# Altium PCB MU_MP_39_V1.PcbDoc (part 12 of 15) (continued)
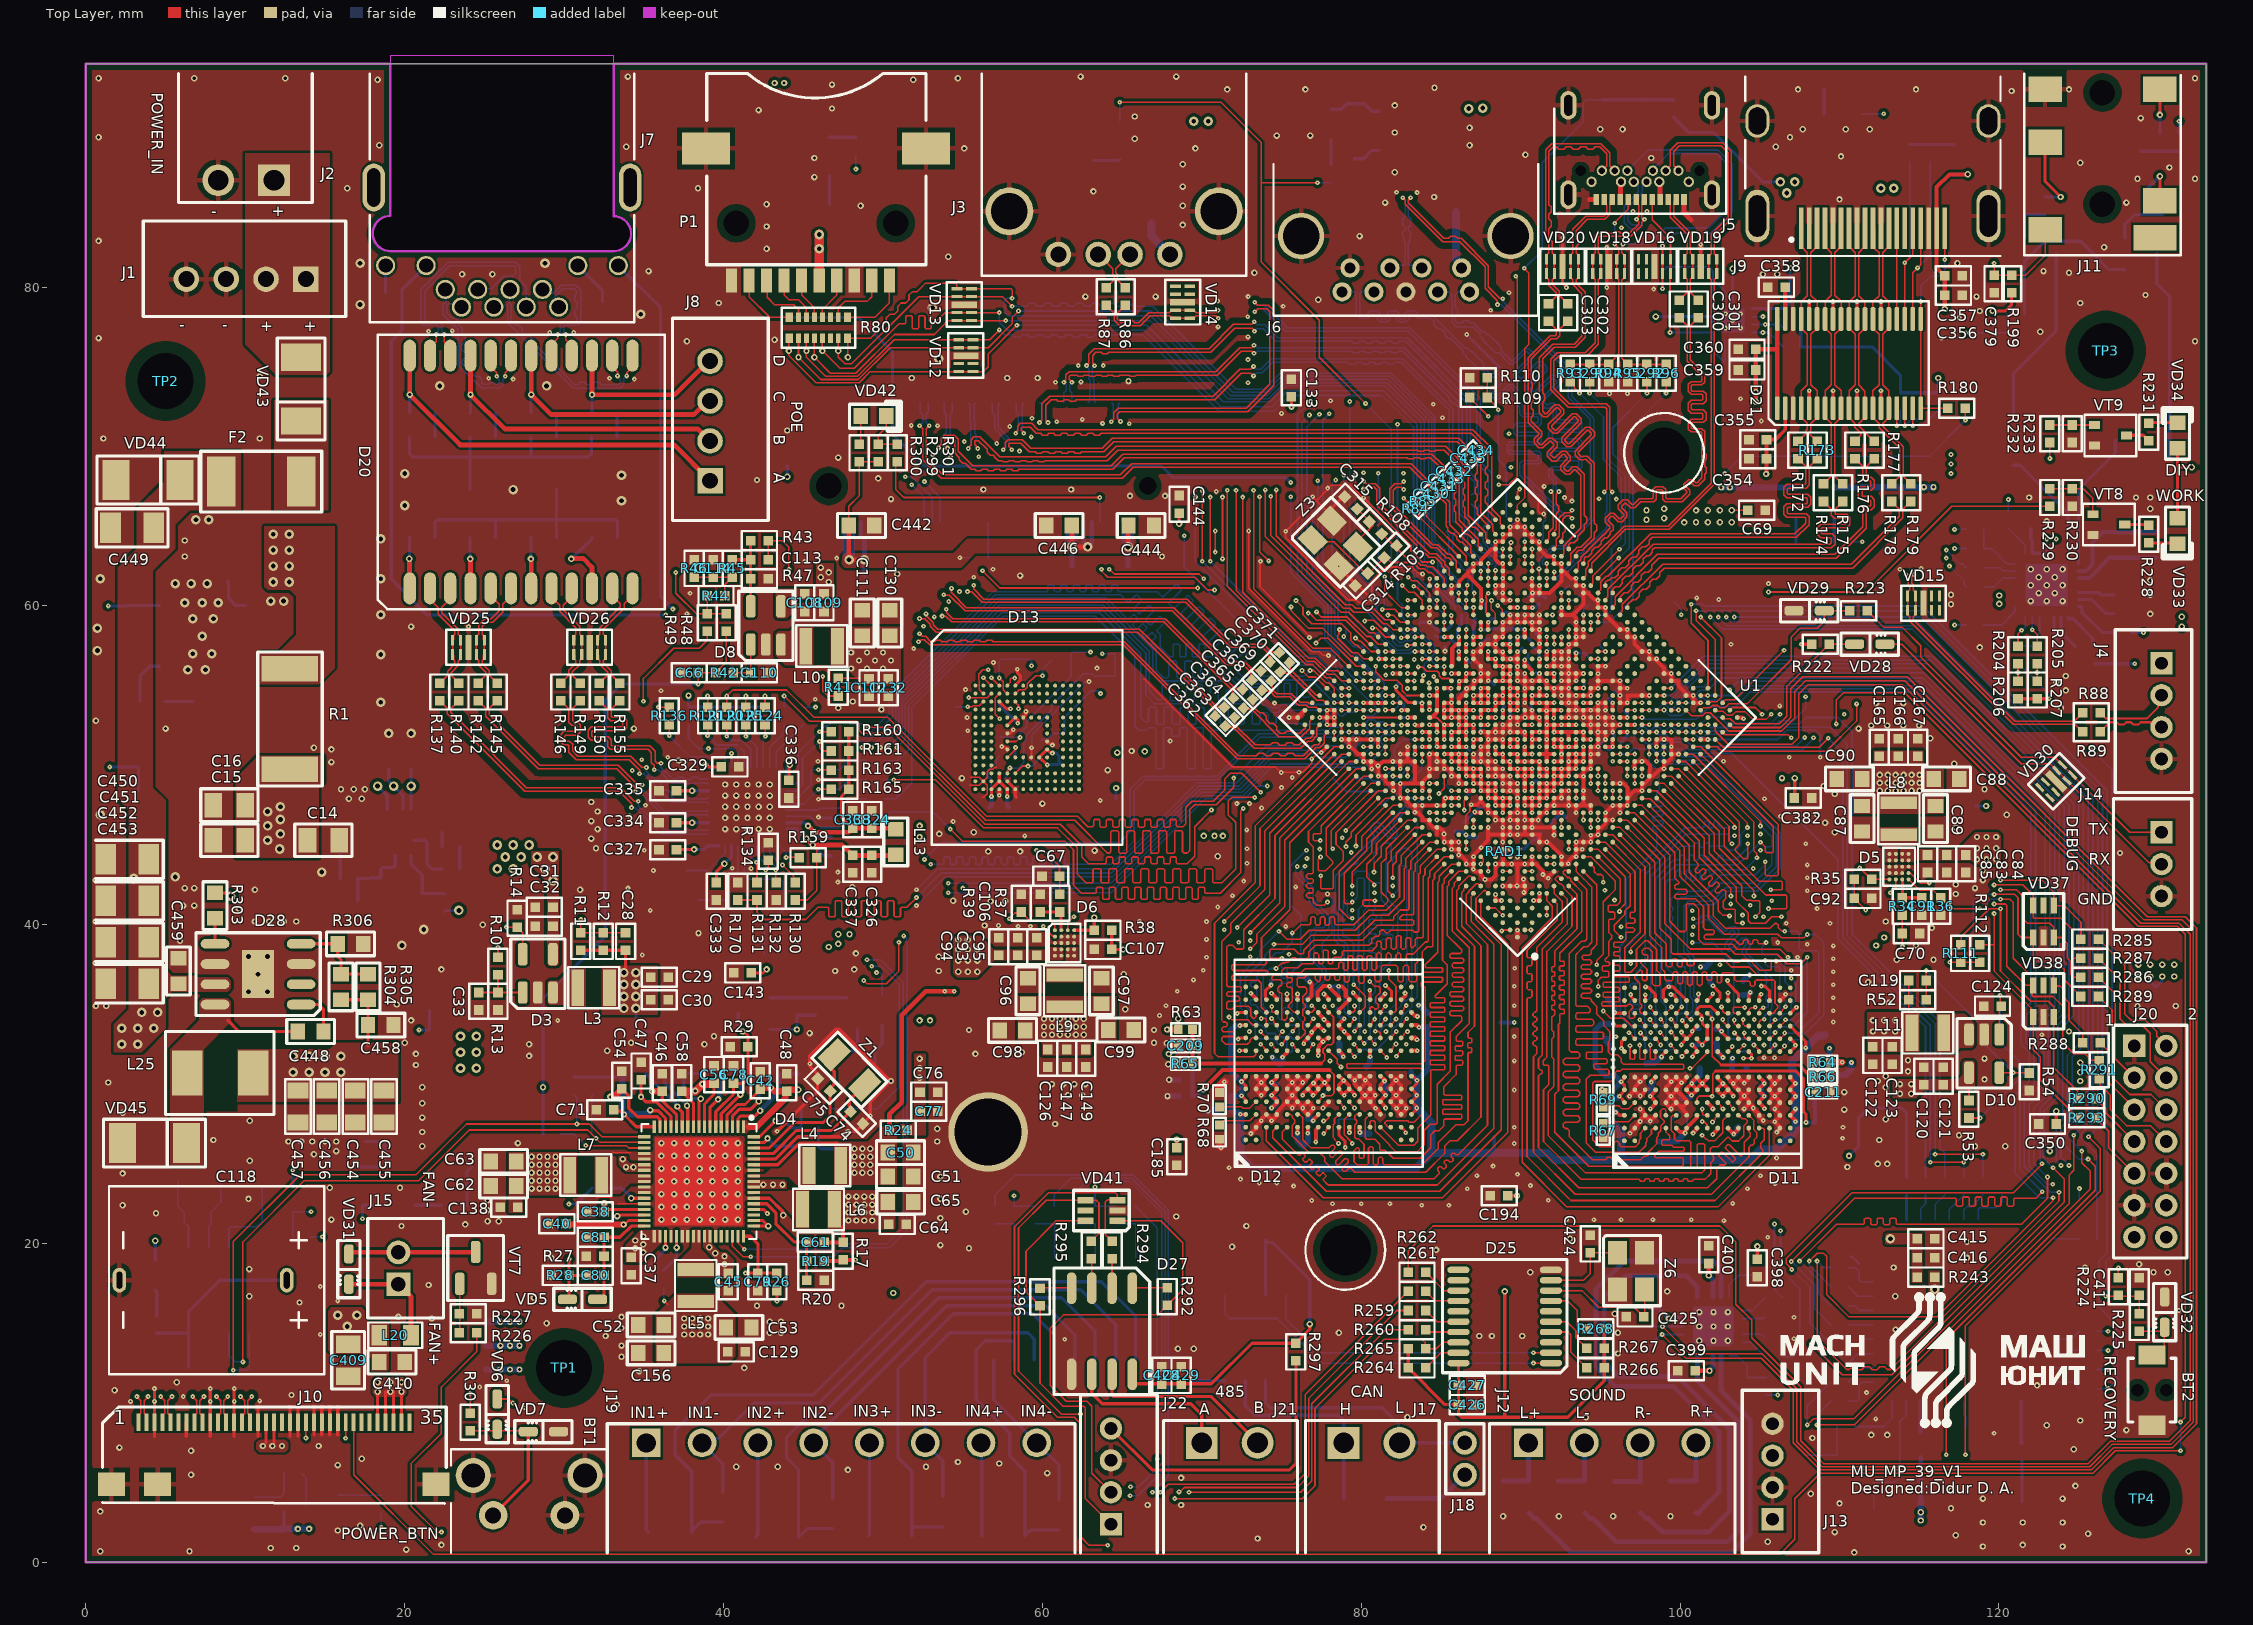
[diagram p0: Top Layer view]
## Nets (pads, with @x,y where several pads share a name; then routed paths per layer and width w, separated by ;. In a path a pad name is that pad's centre, name@x,y a point inside that pad or via, vN(x,y) a via of type N, cw(c..) or ccw(c..) an arc to the next point about the centre after c; other vN are vias at no path point) (continued)
  Bottom Layer w0.2: R91.2@99.6,90.65 100.55,89.7 102.1,89.7 105.2,86.6 v3(106.3,86.6) ; D17.2@103.3,79.115 C289.1@103.3,80.475 v2(103.3,81.15)
  other v3: 106.7,85.9 107.2,86.6
VCC1V8_DDR: C76.1 C77.1 C221.1 C222.1 C223.1 C224.1 C225.1 C226.1 C227.1 C228.1 C229.1 C230.1 C231.1 D11.A3 D11.A4 D11.A5 D11.A6 D11.A10 D11.U3 D11.U4 D11.U5 D11.U6 D11.U10 D12.A3 D12.A4 D12.A5 D12.A6 D12.A10 D12.U3 D12.U4 D12.U5 D12.U6 D12.U10 R24.2 | length 179.1
  Top Layer w0.2: v1@72.406,33.687 72.42,33.701 72.506,33.701 D12.A10@72.755,33.701 ; v1@72.427,28.101 D12.A3@72.755,28.101 ; v1(72.494,29.269) 72.755,29.008 D12.A4@72.755,28.901 ; D12.A5@72.755,29.701 72.755,29.897 v1(72.494,30.158) 72.63,30.294 D12.A6@72.755,30.419 ; D12.U3@83.154,28.101 83.48,28.426 v1(83.48,28.501) 83.48,28.576 D12.U4@83.154,28.901 83.48,29.226 v1(83.48,29.301) 83.48,29.376 D12.U5@83.154,29.701 83.501,30.047 v1(83.501,30.245) 83.245,30.501 D12.U6@83.154,30.501 ; v1(95.816,33.772) 95.844,33.772 95.971,33.645 D11.A10@96.513,33.645 ; v1(95.972,28.239) 95.998,28.239 96.191,28.045 D11.A3@96.513,28.046 ; v1(96.188,29.235) 96.198,29.235 96.302,29.131 96.41,29.023 96.41,28.948 D11.A4@96.513,28.845 ; v1@96.188,29.245 96.513,29.571 D11.A5@96.513,29.645 96.513,29.933 v1(96.302,30.144) 96.513,30.354 D11.A6@96.513,30.445 ; D11.U10@106.913,33.645 107.424,33.134 107.885,32.673 v1(107.885,32.274)
  Top Layer w0.254: v1(72.392,33.674) v1@72.406,33.687 ; v1(72.417,28.112) v1@72.427,28.101 ; D12.A6@72.755,30.419 D12.A6@72.755,30.501 ; D12.U10@83.154,33.701 83.499,33.701 v1(83.628,33.573) ; D11.U4@106.913,28.845 106.913,28.895 v1(107.238,29.22) 107.238,29.32 D11.U5@106.913,29.645 106.913,29.72 v1(107.238,30.046) 106.913,30.371 D11.U6@106.913,30.445 ; v1(107.238,27.645) 107.238,27.72 D11.U3@106.913,28.046 107.238,28.371 v1(107.238,28.446)
  POWER_1 w0.7: v2(52.3,31.6) v2(52.3,31) v2(52.3,30.4) 52.3,29.9 51.4,29 48.4,29 46.7,27.3 46.7,18.9 47.8,17.8 72.5,17.8 74.525,15.775 90.775,15.775 94.4,19.4 102.65,19.4 107.238,23.988 v1(107.238,27.645) v1(107.238,28.446) v1(107.238,29.22) v1(107.238,30.046)
  Bottom Layer w0.2: C224.1@88.35,26.725 88.35,25.695 88.375,25.67
  Bottom Layer w0.35: C231.1@71.817,33.376 71.817,30.835 v1(72.494,30.158) v1(72.494,29.269) ; C228.1@71.86,28.34 71.96,28.24 72.305,28.24 v1@72.425,28.12 ; C231.1@71.86,33.435 71.876,33.435 72.115,33.674 v1(72.392,33.674) ; C228.1@71.86,28.34 C229.1@71.86,29.255 v1@72.479,29.255 ; C230.1@83.138,30.779 83.138,30.608 v1(83.501,30.245) ; v1@83.501,29.322 v1(83.501,30.245) ; v1(83.628,33.573) C227.1@84.152,33.573 ; C227.1@84.174,33.55 84.174,30.919 v1(83.501,30.245) ; v1(95.816,33.772) 95.392,33.772 C226.1@95.388,33.769 95.058,33.769 94.677,33.388 94.677,31.185 95.337,30.524 95.922,30.524 v1(96.302,30.144) 95.533,29.374 C223.1@95.533,29.153 96.095,29.153 96.177,29.235 v1(96.188,29.235)
  Bottom Layer w0.381: C231.1@71.817,33.376 C231.1@71.86,33.42 ; v1@72.479,29.255 v1(72.494,29.269) ; C227.1@84.152,33.573 C227.1@84.174,33.55 ; C222.1@95.525,28.239 95.533,28.239 v1(95.972,28.239) ; C222.1@95.533,28.137 C222.1@95.618,28.222
  Bottom Layer w0.5: v1@72.425,28.104 72.425,25.469 73.161,24.733 83.458,24.733 84.407,25.682 ; v1(83.48,29.301) v1(83.48,28.501) 84.419,27.562 84.419,25.67 88.375,25.67 91.68,25.67 92.109,25.241 96.252,25.241 104.38,25.241 105.04,25.902 106.056,25.902 107.238,27.083 v1(107.238,27.645) v1(107.238,28.446) v1(107.238,29.22) v1(107.238,30.046) 107.238,30.657 107.072,30.822 C225.1@107.014,30.88 107.014,31.403 v1(107.885,32.274) 108.672,33.061 109.035,33.061 C221.1@109.06,33.086 ; C222.1@95.533,28.137 95.558,28.112 95.558,27.792 96.302,27.048 96.302,25.292
  Bottom Layer w0.508: C222.1@95.533,28.239 C223.1@95.533,29.153 ; 96.252,25.241 96.302,25.292
VCC3V0_SD: C267.2 C268.1 C270.2 D14.5 P1.4 | length 2.9
  Top Layer w0.6: P1.4@46,80.4 v3(46,83.3)
  other v3: 46,82.4
VCC3V3_S3: C57.1 C263.2 C264.1 C277.1 C293.1 C299.1 C344.1 D4.7 D13.E6 D13.F5 D13.J10 D13.K9 U1.AB18 U1.AB21 U1.J23 U1.Y25 | length 286.1
  Top Layer w0.12: D13.K9@59.8,50.5 D13.K9@59.812,50.5 ; v1@60.288,50.025 v1(60.3,50.025)
  Top Layer w0.2: D4.7@39.157,27.33 39.157,28.545 v2(39.657,29.045) ; D13.F5@57.8,52.5 D13.E6@58.3,53 58.313,53 58.456,52.857 58.475,52.857 58.475,52.662 v1(58.458,52.645) ; D13.K9@59.8,50.5 D13.J10@60.3,51 60.512,50.788 60.61,50.788 v1(60.629,50.769) ; D13.K9@59.812,50.5 v1@60.288,50.025
  Top Layer w0.254: v1(82.917,53) U1.J23@83.365,53 ; v1(87.5,58.524) 87.502,58.526 U1.Y25@87.502,58.975 ; U1.AB21@90.26,58.056 90.26,58.515 v1(90.261,58.516) ; U1.AB18@91.638,56.677 v1(91.639,57.137)
  Inner_Layer w0.5: v2@39.675,29.063 42.612,32 46.1,32 46.7,31.4 46.7,13.5 48.475,11.725 99.1,11.725 100.2,12.825 116.7,12.825 119.725,15.85 119.725,27.325 124.4,32 v2(124.4,33.3)
  POWER_2 w0.1: 90.2,58.725 90.42,58.945 90.42,59.1 90.735,59.415 ; 90.675,58.55 90.775,58.55 91.2,58.975 ; 90.8,57.925 90.8,57.578 91.178,57.2 91.275,57.2 ; 91.15,58.125 91.25,58.125 91.65,58.525 ; 91.175,58.05 91.312,57.913 91.48,57.746 91.48,57.72 91.575,57.625 ; 91.213,58.987 91.2,58.975 ; 91.528,59.735 91.96,59.735 92.113,59.888 ; 91.7,57.675 92.088,58.063 ; 91.825,59.025 91.528,59.322 91.528,59.735 91.056,59.735 90.735,59.415 ; 92.125,57.15 92.563,57.588 ; 92.816,59.184 92.113,59.888 ; 93.038,58.962 93.488,58.513 ; 93.075,59.8 93.075,59.802 92.683,60.194 92.681,60.194 92.55,60.325 ; 94.425,59.7 94.25,59.875 93.9,59.875 93.488,59.462 ; 95.225,60.425 95.225,60.25 93.938,58.963 ; 95.4,60.925 93.15,60.925 92.55,60.325 ; 90.735,59.415 91.175,58.975 91.2,58.975 ; 91.2,58.975 91.65,58.525 ; 91.65,58.525 91.663,58.538 92.113,58.087 ; 92.088,58.063 92.113,58.087 ; 92.088,58.063 92.563,57.588 ; 92.113,58.087 92.588,58.563 ; 92.113,59.888 92.55,60.325 ; 92.563,57.588 93.025,58.05 ; 92.588,58.563 92.588,58.488 93.025,58.05 ; 92.588,58.563 93.488,59.462 ; 93.025,58.05 93.488,58.513 ; 93.488,58.513 93.938,58.963 ; 93.488,59.462 93.488,59.412 93.938,58.963
  POWER_2 w0.2: 79.64,56.454 80.046,56.454 82.942,53.558 82.942,53.096 82.936,53.09 82.936,53.019 v1(82.917,53)
  POWER_2 w0.3: 66.472,49.078 73.849,56.454 79.64,56.454
  POWER_2 w0.4: v2(64.7,50.8) 64.75,50.8 66.472,49.078
  POWER_2 w0.5: v2(39.657,29.045) 41.112,30.5 49.2,30.5 51.5,32.8 56.825,32.8 59.237,35.212 62.312,35.212 64.1,37 64.1,40.075 66.472,42.447 66.472,49.078 ; 95.575,60.625 96.5,60.625 97.15,61.275 104.2,61.275 105.975,59.5 118,59.5 119.8,57.7 119.8,56.2 124.4,51.6 v2(124.4,33.3)
  GND_2 w0.2: v1(60.3,50.025) 60.575,50.3 v1@60.575,50.725
  GND_2 w0.3: v1(58.458,52.645) 58.466,52.638 58.466,52.635 60.331,50.769 v1(60.629,50.769) 60.635,50.775 64.648,50.775 64.673,50.8 v2(64.7,50.8)
  Bottom Layer w0.2: C264.1@57.325,53.8 57.5,53.625 57.5,53.558 57.944,53.113 57.987,53.113 58.455,52.645 v1(58.458,52.645) ; v1(60.3,50.025) 60.319,50.044 60.969,50.044 C263.2@61.1,50.175 ; v1(60.629,50.769) 60.634,50.764 60.861,50.764 61.042,50.583 61.042,50.208 61.088,50.163 C263.2@61.15,50.1 ; C344.1@82.4,53.009 82.908,53.009 v1(82.917,53) ; v1(87.5,58.524) 87.527,58.524 87.569,58.482 88.047,58.482 88.128,58.563 90.214,58.563 v1(90.261,58.516) C299.1@90.266,58.521 ; v1(91.639,57.137) 91.739,57.237 C293.1@91.739,57.335
  Bottom Layer w0.3: v2(39.657,29.045) 39.657,29.072 39.75,29.165 39.75,30.5 C57.1@39.9,30.65
VCC3V3_SYS: C28.1 C29.1 C30.1 C56.1 C58.1 C80.2 C82.1 C100.1 C101.1 C120.1 C121.1 C271.2 C272.1 C287.1 C361.1 C417.1 C418.1 C422.1 C423.1 C426.1 C427.1 C428.1 C429.1 D4.8 D4.10 D7.1 D10.4 D14.1 D17.4 D25.20 D26.3 D27.8 J20.12 L3.1 L23.1 R11.2 R12.2 R26.2 R28.2 R31.1 R53.1 R187.2 R194.2 R222.2 R264.2 R265.1 R266.2 R267.2 R268.2 R297.1 VD4.1 VD5.2 VD33.1 VD34.1 VT1.2 VT3.2 | length 385.5
  Top Layer w0.1: R53.1@118.125,28.975 118.125,29.775
  Top Layer w0.2: VD5.2@30.2,16.5 30.3,16.6 R28.2@30.3,18 ; v1(30.3,19.025) R28.2@30.3,18 ; R11.2@31.05,38.4 R12.2@32.45,38.4 C28.1@33.85,38.4 v3@33.85,37.275 ; C80.2@31.4,18 R28.2@30.3,18 ; C58.1@37.375,29.55 38.107,28.818 D4.10@38.107,27.33 ; D4.8@38.807,27.33 38.807,27.63 38.807,28.756 38.969,28.918 38.969,28.941 39.4,29.373 C56.1@39.4,30.05 ; v1(43.35,16.375) R26.2@43.35,17.05 ; D27.8@65.64,11.2 70.6,11.2 73.15,13.75 R297.1@75.9,13.75 76.775,14.625 v2(76.775,14.95) ; R265.1@82.95,13.4 R264.2@82.95,12.2 85.25,9.9 C426.1@86.1,9.9 ; D25.20@86.1,12.5 C427.1@86.1,11.1 C426.1@86.1,9.9 ; v2(89,17) 89,9.1 ; R268.2@95.25,14.65 R267.2@95.25,13.425 R266.2@95.25,12.2 95.25,11.4 92.95,9.1 89,9.1 ; v1(107.6,57.6) R222.2@108.25,57.6 ; VD33.1@131.2,65.5 131.2,68.7 ; VD34.1@131.2,69.9 131.2,68.7 ; v2(132.1,68.7) 131.2,68.7 ; C426.1@86.1,9.9 86.1,9.3 86.3,9.1 89,9.1
  Top Layer w0.5: C58.1@37.375,29.55 38.2,29.55 v2(38.225,29.575) 38.259,29.575 38.691,30.007 39.357,30.007 C56.1@39.4,30.05
  Inner_Layer w0.2: v1(107.6,57.6) 115.3,65.3 v2(115.3,67.45)
  Inner_Layer w0.4: v2(114.5,30) 115.5,31 115.5,32.1 121.825,38.425 131.575,38.425 132.1,37.9 132.1,24 J20.12@130.5,22.4 J20.12@130.6,22.4
  POWER_2 w0.2: 30.3,18.1 v1(30.3,19.025)
  POWER_2 w0.3: 28.912,30.887 32.45,27.35 37.625,27.35 38.25,27.975 38.25,28.765 38.1,28.915 38.1,29.398 38.175,29.473 38.175,29.498 38.225,29.548 v2(38.225,29.575) 38.25,29.575 42.1,33.425 v2(44.6,33.425) ; 33.075,36.975 33.075,59.075 35.975,61.975 35.975,88.775 40,92.8 v2(43.2,92.8) v2(43.8,92.8)
  POWER_2 w0.4: v2(13.3,2.1) v2(14,2.1) 21,9.1 24,12.1 24,13.1 v2(26,15.1) ; v2(106.9,81.2) 107.9,80.2 127.2,80.2 132.1,75.3 v2(132.1,68.7) 132.1,67.45 ; v2(115.1,2.625) v2(115.1,3.15) 115.1,3.7 117,5.6 118.4,5.6 125.5,12.7 125.5,14.3 127,15.8 129.7,15.8 132.1,18.2 132.1,22.425 ; v2(115.3,67.45) v2(115.9,67.45) 132.1,67.45 ; J20.12@130.5,22.4 132.075,22.4 132.1,22.425 ; 132.1,22.425 132.1,67.45
  Bottom Layer w0.2: C361.1@12.4,2.075 C361.1@12.425,2.1 R187.2@12.425,3.2 ; v3(34.5,34.75) 34.5,33.5 34.725,33.275 VD4.1@35.6,33.275 ; VT1.2@42.925,33.425 v2(44.6,33.425) ; v2(44.6,33.425) C82.1@44.6,34.325 R31.1@45.775,34.325 ; C423.1@73.975,20.225 C423.1@74,20.2 ; D26.3@74,16.8 C423.1@74,20.2 ; v2(76.775,14.95) 76.775,17.725 74.437,20.063 74.137,20.063 C423.1@74,20.2 ; D17.4@104.515,78.65 C287.1@106,78.65 106.55,78.65 106.9,79 v2(106.9,81.2)
  Bottom Layer w0.3: C418.1@115.1,3.9 C417.1@115.1,5.1 L23.1@115.1,6.6
  Bottom Layer w0.4: VT3.2@10.55,2.075 C361.1@12.4,2.075 ; C361.1@12.425,2.1 v2(14,2.1) ; R194.2@25.1,15.1 v2(26,15.1) v2(26.6,15.1) v2(27.2,15.1) ; D7.1@109.675,67.425 111.425,67.425 C101.1@111.45,67.45 C100.1@112.65,67.45 v2(115.3,67.45) v2(115.9,67.45) ; v2(115.1,2.625) v2(115.1,3.15) C418.1@115.1,3.9
  other v2: 113.8,29.4 114.5,29.4 38.675,30 113.8,30
  other v3: 33.75,34.75 33.75,35.5 34.5,35.5 33.75,36.25 34.5,36.25 33.75,37 34.5,37
VCC5V0_HDMI: R184.2 R185.2 VD27.2 | length 2.8
  Bottom Layer w0.2: R184.2@114.4,88.95 R185.2@115.7,88.95 117.15,88.95 VD27.2@117.175,88.925
VCC5V0_HOST: C274.1 C275.1 C276.1 D15.1 J3.1 J4.1 | length 106.8
  POWER_1 w0.4: J3.1@68,82.05 68,91.6 69.7,93.3 121.2,93.3 130.6,83.9 130.6,56.8 J4.1@130.2,56.4
  Bottom Layer w0.5: C276.1@66.85,84 66.85,83.2 J3.1@68,82.05
VCC5V0_HOST_3_0: C304.1 C305.1 C306.1 D18.1 J6.1 VD22.2 | length 3.6
  Bottom Layer w0.5: C306.1@85.95,84.7 85.95,81.739 86.3,81.389 J6.1@86.3,81.2
VCC5V0_HOST_EN: D15.4 R101.1 U1.R25 | length 53.4
  Top Layer w0.1: v1(64.85,91.6) 71.2,91.6 73.725,89.075 73.725,86.55 ; v1(77.25,86.55) 76.35,86.55 73.725,86.55 ; v1(80.275,72.701) 77.375,75.601 77.375,77.925 73.725,81.575 73.725,86.55
  Top Layer w0.11: v1@84.747,56.677 U1.R25@85.204,56.677
  Inner_Layer w0.1: v1(81.875,61.425) 81.875,61.05 82.275,60.65 83.1,60.65 83.65,60.1 83.65,59.125 84.6,58.175 84.6,56.836 84.747,56.69 v1(84.747,56.678)
  Bottom Layer w0.1: D15.4@64.85,90.4 v1(64.85,91.6) ; v1(77.25,86.55) R101.1@78.1,86.55 ; v1(80.275,72.701) 81.875,71.1 v1(81.875,61.425)
VCC5V0_SYS: C19.1 C20.2 C21.2 C22.2 C23.2 C24.1 C31.1 C32.1 C37.1 C39.1 C42.1 C45.2 C46.1 C48.1 C54.1 C60.1 C83.1 C84.1 C85.1 C93.1 C94.1 C95.1 C108.1 C109.1 C273.2 C280.1 C281.1 C288.1 C307.1 C308.1 C398.2 C399.1 C400.1 C401.1 D2.5 D3.4 D4.1 D4.4 D4.13 D4.16 D4.23 D4.24 D4.32 D4.35 D4.36 D4.44 D4.45 D4.59 D4.60 D5.D1 D5.D2 D5.E1 D5.E2 D6.D1 D6.D2 D6.E1 D6.E2 D8.4 D15.5 D16.5 D17.12 D17.13 D18.5 D23.3 D23.9 D23.13 J20.13 L2.1 R10.2 R193.2 R216.1 R218.1 | length 184.6
  Top Layer w0.1: R10.2@25.85,37.95 v1(25.85,38.575)
  Top Layer w0.2: v2@33.461,21.795 D4.32@35.022,21.795 ; C54.1@33.625,29.7 34.057,29.268 34.057,28.495 34.602,27.95 35.85,27.95 36.007,27.793 D4.16@36.007,27.33 ; C46.1@36.157,29.645 C46.1@36.157,29.545 36.157,28.97 37.057,28.07 D4.13@37.057,27.33 ; D4.4@40.207,27.33 40.207,28.055 40.872,28.72 41.345,28.72 42.095,29.47 42.107,29.47 42.295,29.659 C42.1@42.295,29.67 ; C398.2@104.85,19.025 v2(104.85,19.825)
  Top Layer w0.3: C399.1@100.95,12.025 v2(101.85,12.025) v2@101.875,12.025 ; v2@101.8,18.025 C400.1@101.8,18.75
  Top Layer w0.4: v2(32.9,29.2) 33.125,29.2 C54.1@33.625,29.7 ; v2(35.532,29.545) C46.1@36.157,29.545 C46.1@36.182,29.545 ; 41.582,27.33 42.092,27.33 43.882,29.121 C48.1@43.882,29.545 ; C42.1@42.307,29.77 v2(42.957,29.77) 43.182,29.545 C48.1@43.882,29.545 ; C48.1@43.882,29.571 C48.1@43.882,29.545 ; C48.1@43.957,29.545 C48.1@43.882,29.545 ; C48.1@43.957,29.645 v2(44.682,29.645)
  POWER_1 w0.3: v2(98.475,78.15) 99.825,79.5 107.125,79.5 111.3,83.675 111.3,86.2 ; 99.3,13.5 v2(99.3,15.3) 99.319,15.319 99.319,15.519 v2(101.8,18) 103.025,18 v2(104.85,19.825)
  POWER_1 w0.4: 24.8,18.1 24.8,14.5 25.501,13.799 25.7,13.6 v2(26,13.6) v2(26.6,13.6) v2(27.2,13.6) ; 120.4,20.4 J20.13@128.5,20.4
  POWER_1 w0.6: v3(69.5,90.4) v3(70.4,90.4) 85.15,90.4 85.95,91.2 v3(86.75,91.2) v3@87.6,91.2 ; v3(87.625,91.225) v3@87.6,91.2 ; 120.2,45.2 123.7,48.7 123.7,51.9 125.9,54.1 125.9,70.65 121,75.55 121,79 117.625,82.375 117.625,83.3 114.725,86.2 v3(113.4,86.2) v3(112.6,86.2) 111.3,86.2 110.6,86.2 108.675,88.125 103.175,88.125 102.225,89.075 91.6,89.075 89.475,91.2 v3@87.6,91.2
  POWER_2 w0.2: v3(19.3,48.7) 23,45 v3(25.8,45)
  Bottom Layer w0.1: R218.1@105.425,10.5 v1(106.125,10.5)
  Bottom Layer w0.2: C19.1@19,49.75 19,49 19.9,48.1 D2.5@19.9,47.25 ; C39.1@32.025,21.275 32.887,21.275 v2(33.332,21.72) ; v2(98.475,78.15) C288.1@100.525,78.15 D17.13@102.085,78.15 D17.12@102.085,77.65
  Bottom Layer w0.3: C401.1@98.025,16.1 98.106,16.019 98.581,16.019 v2(99.3,15.3) D23.9@100.225,15.3 ; v2(101.8,18) 102.075,17.725 D23.13@102.075,16.65 ; v2@101.85,12.05 102.075,12.275 D23.3@102.075,12.95 ; R216.1@104.85,19.1 v2(104.85,19.825)
  Bottom Layer w0.4: R193.2@25.1,13.6 v2(26,13.6) v2(26.6,13.6) v2(27.2,13.6)
  other v2: 40.057,18.695 40.057,19.195 39.482,19.395 34.957,19.445 34.457,19.695 39.107,19.77 34.957,19.945 34.457,20.195 34.957,20.445 42.5,23.7 43.1,23.7 43.7,23.7 33.882,24.795 34.346,24.788 33.682,25.295 54.725,37.05 55.325,37.05 55.925,37.05 54.725,37.75 55.325,37.75 55.925,37.75 54.725,38.45 55.325,38.45 55.925,38.45 54.725,39.05 55.325,39.05 118.625,44.1 119.225,44.1 119.825,44.1 118.625,44.8 119.225,44.8 119.825,44.8 118.625,45.5 119.225,45.5 119.825,45.5 46.6,61.5 46.1,61.8 46.6,62.1 46.1,62.4
  other v3: 29.3,42.75 25.8,43.5 26.8,43.5 28.8,43.5 26.3,44.25 27.3,44.25 28.3,44.25 29.3,44.25 26.8,45 27.8,45
VCC5V0_TYPEC0_EN: D16.4 U1.M24 | length 59.7
  Top Layer w0.1: v1(84.259,55.169) 84.272,55.156 84.272,54.852 U1.M24@84.285,54.838 ; v1(88.625,67.6) 89.25,67.6 89.8,68.15 89.8,80.521 89.7,80.621 v1(89.7,80.675)
  Inner_Layer w0.1: v1(84.259,55.169) 84.297,55.207 84.414,55.207 84.417,55.21 85.584,55.21 86.025,55.651 86.025,56.673 85.8,56.898 85.8,58.675 86.4,59.275 86.4,59.753 85.787,60.366 85.787,60.925 86.041,61.179 86.041,65.016 v1(88.625,67.6) ; v1(89.7,80.675) 89.725,80.65 104.3,80.65 112.775,89.125 v1(112.775,90.875)
  Bottom Layer w0.1: D16.4@111.4,90.85 111.425,90.875 v1(112.775,90.875)
VCC12V: C454.2 C455.2 C456.2 C457.2 C458.2 C462.2 C463.2 D29.5 L25.1 R302.2 R304.2 R305.2 R307.2 | length 4.6
  Top Layer w0.2: R304.2@16,35.3 R305.2@17.7,35.3 C458.2@17.7,33.7 17.7,32.4
  other v3: 13,30.75 14,30.75 15,30.75 16,30.75 13,31.75 14,31.75 15,31.75 16,31.75
VCC12V_SYS: C7.2 C8.2 C9.2 C10.2 C11.2 C14.2 C15.2 C16.2 C17.2 C18.2 C409.2 C410.2 D2.1 J20.14 L1.1 L20.2 R1.2 R3.2 R4.2 R7.2 R192.2 | length 176.1
  Inner_Layer w0.3: v2(27.2,12.1) 27.2,11 29.5,8.7 31.2,8.7 33.5,6.4 33.5,2.1 35.025,0.575 109.975,0.575 115.3,5.9 125.9,5.9 127.2,7.2 130.9,7.2 132.1,8.4 132.1,18.8 J20.14@130.5,20.4
  Inner_Layer w0.4: 17,14.6 21.6,14.6 24.1,12.1 v2(26,12.1) v2(26.6,12.1) v2(27.2,12.1)
  POWER_2 w0.3: v3(12.15,44.75) 16.8,40.1 16.8,15.2 v3(16.4,14.8)
  Bottom Layer w0.2: R7.2@15.95,42.9 15.95,44.85 16,44.9
  Bottom Layer w0.4: R192.2@25.1,12.1 v2(26,12.1) v2(26.6,12.1) v2(27.2,12.1)
  other v3: 15.8,15.5 17,15.5 11.4,45.3 12.2,45.7 11.4,46.2 12.2,46.6 11.4,47.1 12.2,47.4
VCC_1V5: C49.1 C317.1 C319.1 C321.1 D4.2 R16.2 U1.AC8 U1.J24 U1.N23 | length 108.2
  Top Layer w0.2: D4.2@40.907,27.33 40.907,27.845 41.057,27.995 41.957,27.995 v2(42.291,28.329)
  Top Layer w0.254: v1(82.536,53.457) 82.538,53.46 U1.J24@82.906,53.46 ; U1.N23@85.204,54.838 85.625,54.838 v1(85.634,54.829) ; U1.AC8@96.694,52.54 97.153,52.54 v1(97.154,52.542)
  Inner_Layer w0.1: 85.126,53.991 87.362,51.755 87.641,51.755 87.811,51.925 88.132,51.925 88.306,51.751 88.551,51.751 88.75,51.95 89.021,51.95 89.216,51.755 89.47,51.755 89.664,51.95 89.936,51.95 90.185,51.7 90.329,51.7 90.554,51.925 90.875,51.925 91.1,51.7 91.244,51.7 91.943,52.4 92.254,52.4 92.467,52.187 93.585,52.187 93.813,52.416 94.067,52.416 94.296,52.187 94.499,52.187 94.728,52.416 94.982,52.416 95.21,52.187 95.413,52.187 95.642,52.416 95.896,52.416 96.125,52.187 96.353,52.187 96.582,52.416 97.039,52.416 97.154,52.531 v1(97.154,52.542) 97.129,52.542 96.995,52.675 96.551,52.675 96.328,52.898 96.125,52.898 95.896,52.67 95.642,52.67 95.413,52.898 95.21,52.898 94.965,52.653 94.745,52.653 94.499,52.898 94.296,52.898 94.067,52.67 93.813,52.67 93.585,52.898 93.381,52.898 93.153,52.67 92.899,52.67 92.67,52.898 92.442,52.898 92.213,52.67 91.955,52.67 91.748,52.877 91.506,52.877 90.854,52.225 90.575,52.225 90.384,52.416 90.13,52.416 89.939,52.225 89.661,52.225 89.47,52.416 89.216,52.416 89.025,52.225 88.746,52.225 88.555,52.416 88.301,52.416 88.111,52.225 87.806,52.225 86.041,53.991 86.041,54.422 v1(85.634,54.829) 85.634,54.727 85.126,54.219 85.126,53.991
  POWER_2 w0.1: 78.55,55.1 78.55,55.05 80.625,52.975 ; 78.875,55.4 79.15,55.4 81.1,53.45 ; 79.45,55.675 79.775,55.675 82,53.45 82.125,53.45
  POWER_2 w0.5: v2(42.291,28.329) 46.954,28.329 47.625,29 52.8,29 54.5,30.7 64.2,30.7 66.025,32.525 66.025,37.425 67.55,38.95 67.55,48.375 74.52,55.345 78.301,55.345
  GND_2 w0.254: v1@82.551,53.472 82.557,53.466 82.577,53.466 82.586,53.475 82.975,53.475 83.475,52.975 84.492,52.975 84.72,53.203 84.72,53.914 v1(85.634,54.829)
  Bottom Layer w0.2: v1(82.536,53.457) 82.679,53.601 C317.1@82.679,53.847 ; C321.1@85.55,54.66 85.55,54.744 v1(85.634,54.829)
  Bottom Layer w0.3: v2(42.291,28.329) 43.475,29.513 C49.1@43.475,30.65 R16.2@44.675,30.65
VCC_1V8: C34.1 C35.1 C36.1 C50.2 C51.2 C66.1 C67.1 C68.1 C69.1 C70.1 C258.1 C261.2 C262.1 C323.1 C345.1 C373.1 D4.63 D13.C6 D13.M4 D13.N4 D13.P3 D13.P5 L4.1 R22.1 R23.1 R24.1 R25.2 R34.2 R37.2 R42.2 R48.1 R77.2 R79.1 R243.2 U1.AB8 U1.AB12 U1.AB14 U1.AC10 U1.J19 U1.J20 U1.J22 U1.K24 | length 242
  Top Layer w0.1: v1(38.4,55.1) C66.1@38.4,55.8 R42.2@39.5,55.8 40.175,56.475 R48.1@40.175,58.4 ; v1(59.625,44.675) 60.075,44.675 61.075,43.675 C67.1@61.075,43.05 61.1,43.025 R37.2@61.1,41.9 ; v2(103.25,66) C69.1@104.25,66 ; v1(113.95,38.65) C70.1@113.95,39.45 R34.2@113.95,40.6
  Top Layer w0.11: D13.N4@57.3,49 57.55,48.75
  Top Layer w0.12: D13.C6@58.3,54 58.3,53.975 58.499,53.776 v1(58.5,53.55)
  Top Layer w0.2: D4.63@41.892,24.945 43.407,24.945 44.757,26.295 47.157,26.295 ; v1@56.8,48.064 D13.P3@56.8,48.5 D13.N4@57.3,49 D13.M4@57.3,49.5 ; D13.N4@57.3,49 D13.P5@57.8,48.5 v1@57.8,48.064 ; v1(82.18,54.93) 82.189,54.922 82.189,54.693 82.948,53.934 83.351,53.934 U1.K24@83.365,53.919
  Top Layer w0.254: v1(83.368,52.542) 83.393,52.542 83.428,52.506 83.791,52.506 U1.J22@83.825,52.54 ; U1.J20@84.744,51.621 84.744,51.165 v1(84.746,51.163) 85.202,51.163 U1.J19@85.204,51.162 ; U1.AB14@93.477,54.838 93.924,54.838 93.934,54.848 v1(93.946,54.848) ; v1(93.937,53.92) 93.938,53.919 U1.AB12@94.396,53.919 ; U1.AC10@95.775,53.46 v1@95.775,53.92 ; U1.AB8@96.235,52.081 96.236,52.082 v1(96.694,52.082)
  Top Layer w0.3: R24.1@50.407,27.095 50.407,28.107 51.175,28.875 51.175,34.325 52.675,35.825 v1(53.875,35.825) v1(54.475,35.825)
  POWER_2 w0.1: v1(113.95,38.65) 115.125,37.475 115.125,17.975 v3(115.975,17.125)
  POWER_2 w0.2: v2(28.675,29.8) 30.325,28.15 30.325,23.425 31.625,22.125 31.625,20.125 33.15,18.6 39.425,18.6 39.925,18.1 40.55,18.1 41.025,18.575 44.125,18.575 45.8,16.9 v2(50.65,16.9) ; 57.05,48.75 56.575,49.225 56.575,51.625 v1(58.5,53.55)
  POWER_2 w0.3: v1(53.875,35.825) v1(54.475,35.825) 55.775,35.825 57.5,37.55 59.8,37.55 60.675,38.425 60.675,43.625 v1(59.625,44.675) 59.625,46.225 v1(57.8,48.05) ; v1(56.8,48.05) 56.8,48.5 57.05,48.75 57.55,48.75 57.8,48.5 v1@57.8,48.064
  GND_2 w0.1: v1(82.18,54.93) 82.18,54.321 82.3,54.201 82.3,53.719 82.221,53.64 82.221,53.279 82.617,52.883 82.617,52.876 82.792,52.7 82.8,52.7 82.973,52.527 83.353,52.527 v1(83.368,52.542) 83.833,52.542 84.746,51.629 v1(84.746,51.163) 85.241,51.163 85.541,50.863 85.86,50.863 86.001,51.004 86.284,51.004 86.425,50.863 86.762,50.863 86.902,51.004 87.195,51.004 87.335,50.863 87.641,50.863 87.782,51.004 88.088,51.004 88.246,50.846 88.584,50.846 88.74,51.002 89.034,51.002 89.173,50.863 89.473,50.863 89.624,51.014 89.929,51.014 90.08,50.863 90.392,50.863 90.532,51.004 90.848,51.004 90.989,50.863 92.223,50.863 92.364,51.004 92.683,51.004 92.823,50.863 93.142,50.863 94.697,52.417 95.315,53.035 ; v1(95.775,53.92) 95.973,53.723 95.973,53.694 95.315,53.035 ; v1(96.694,52.082) 96.268,52.082 95.315,53.035 ; 100.5,64.525 93.646,57.671 93.646,57.321 93.792,57.175 93.792,56.442 93.625,56.275 93.625,55.946 93.622,55.943 93.622,55.614 93.793,55.443 93.793,55.325 ; 100.7,63.075 94.45,56.825 94.45,55.325 ; v2@101,65.979 v2(101.01,65.99) ; v2@101,66 v2@101,66.023 ; 101.175,62.525 95.001,56.351 95.001,56.044 95.171,55.873 95.171,55.325 ; 101.55,62.2 97.454,58.104 97.454,57.932 95.9,56.378 95.778,56.378 95.616,56.216 95.616,55.325 ; 102.025,62.125 96.325,56.425 96.325,55.9 96,55.575 95.996,55.575 95.92,55.499 95.92,55.325 95.616,55.325 ; 93.793,55.325 93.793,55.168 93.475,54.85 94.83,53.495 94.855,53.495 95.315,53.035 ; 93.793,55.325 94.45,55.325 ; 94.45,55.325 95.171,55.325 ; 95.171,55.325 95.616,55.325
  Bottom Layer w0.1: R77.2@56.55,49.375 56.8,49.125 v1(56.8,48.05)
  Bottom Layer w0.11: R77.2@56.55,49.175 56.55,49.35 56.575,49.375 56.575,49.65 57.106,50.181 57.106,50.356 R79.1@57.3,50.55
  Bottom Layer w0.2: R25.2@28.675,26.875 C345.1@28.675,28.075 28.675,35.375 32.575,39.275 32.575,54.075 33.6,55.1 v1(38.4,55.1) ; R22.1@45.95,27.25 R23.1@45.95,26.1 46.105,25.945 v2(48.207,25.945) ; v1(82.18,54.93) 82.324,55.074 C258.1@82.324,55.142 ; v1(84.746,51.163) C373.1@84.798,51.112 ; v1(93.937,53.92) C35.1@93.94,53.923 ; v1(93.946,54.848) 93.946,54.875 94.013,54.942 94.013,55.151 93.974,55.19 C36.1@93.974,55.244 ; C34.1@95.549,54.228 95.549,54.146 v1(95.775,53.92) ; C323.1@96.281,51.431 96.694,51.844 v1(96.694,52.082) ; v2(129.5,36.75) 129.5,36.425 C68.1@129.85,36.075 130.234,36.459 130.234,36.734 v2(130.25,36.75)
  Bottom Layer w0.3: C262.1@56.675,47.375 56.8,47.5 v1(56.8,48.05) ; v1(57.8,48.05) 57.8,47.45 C261.2@57.875,47.375
  other v2: 48.207,24.445 48.707,24.445 49.207,24.445 48.207,24.945 48.707,24.945 49.207,24.945 48.207,25.445 48.707,25.445 49.207,25.445 48.707,25.945 49.207,25.945 128.75,36.75 131,36.75 128.75,37.5 129.5,37.5 130.25,37.5 131,37.5 100.26,65.24 101,65.25 101.75,65.25 102.5,65.25 103.25,65.25 101.75,66 102.5,66
VCC_3V0: C55.1 C71.2 C318.1 C320.1 C322.1 C354.1 C355.1 D4.15 D4.17 D21.2 R49.1 R111.1 R112.1 R113.1 R114.1 R115.1 R116.1 R117.1 R118.1 R181.2 R182.2 R183.2 R199.2 R269.2 R270.2 R277.2 R281.2 U1.AC9 U1.K23 U1.P23 | length 345.7
  Top Layer w0.1: v1(34.975,54.025) 34.975,55.45 36.875,57.35 38.475,57.35 38.975,57.85 R49.1@38.975,58.4 ; v1(116.925,37.65) R111.1@117.6,37.65 R112.1@118.8,37.65
  Top Layer w0.11: v1(83.575,56.175) 83.831,56.175 84.11,55.896 84.766,55.896 84.893,55.769 84.893,55.612 85.066,55.438 85.523,55.438 U1.P23@85.664,55.298
  Top Layer w0.2: C71.2@33.15,28.425 33.255,28.32 33.532,28.32 v2(33.757,28.095) 34.522,27.33 D4.17@35.657,27.33 ; v2@35.445,28.332 35.895,28.332 36.357,27.87 D4.15@36.357,27.33 ; v2(119.6,78.5) 120.4,78.5 120.8,78.9 R199.2@120.8,79.65
  Top Layer w0.25: v2(105.4,68.275) 105.425,68.3 C354.1@105.425,69.225 C355.1@105.425,70.425 105.429,70.429 105.979,70.429 106.6,71.05 D21.2@106.6,72.4
  Top Layer w0.254: v1(83.815,53.904) 83.815,53.891 83.825,53.881 U1.K23@83.825,53.46 ; U1.AC9@96.235,53 96.683,53 v1(96.692,52.991)
  Inner_Layer w0.1: 96.692,53.492 96.994,53.794 96.994,54.469 96.936,54.528 96.853,54.528 96.394,54.069 96.394,53.796 96.692,53.498 ; v1(116.925,37.65) 117.887,36.688
  Inner_Layer w0.2: v1(96.692,52.991) 96.692,53.492 ; 96.936,54.528 100.808,58.4 103.7,58.4 104.9,59.6 104.9,67.775 v2(105.4,68.275)
  Inner_Layer w0.3: v2(33.757,28.095) 33.757,28.932 38.825,34 v2(52.3,34) v2(52.95,34) 55.7,34 63.3,26.4 v1(63.3,23.55) 63.3,23.5 69.3,17.5 92.7,17.5 95.3,20.1 103.8,20.1 104.75,19.15 105.85,19.15 111.3,24.6 111.3,32 111.8,32.5 113.7,32.5 117.887,36.687 128.325,47.125 128.325,52.7 127.9,53.125 127.9,70.2 v2(119.6,78.5) ; v2@33.762,28.1 35.137,28.1 v2(35.407,28.37)
  POWER_2 w0.1: v1(58.225,23) 62.75,23 v1(63.3,23.55) ; 81.075,57.125 81.544,56.656 ; 82.175,57.15 82.037,57.15 81.544,56.656 ; 82.675,56.7 82.675,56.609 82.616,56.55 82.356,56.55 82.144,56.338 81.863,56.338 ; 82.9,56.2 82.45,55.75 ; 83.35,53.75 82.575,54.525 82.575,55.113 82.831,55.369 ; 83.35,55.8 83.275,55.8 83.208,55.733 83.208,55.634 82.974,55.4 82.862,55.4 82.831,55.369 ; 83.7,56.05 83.575,55.925 83.575,55.55 83.65,55.475 83.65,55.186 83.521,55.057 83.521,54.714 83.28,54.956 83.241,54.956 83,55.197 83,55.2 82.831,55.369 ; 81.544,56.656 81.863,56.338 ; 81.863,56.338 82.45,55.75 ; 82.45,55.75 82.831,55.369
  POWER_2 w0.2: v1(34.975,54.025) 34.975,51 33.575,49.6 33.575,43.625 35.975,41.225 35.975,28.938 v2(35.407,28.37) ; v2(105.4,68.275) 109.575,72.45 114.35,72.45 v2(116.2,74.3) 119.6,77.7 v2(119.6,78.5)
  POWER_2 w0.4: v2(52.3,34) 56.2,34 58.288,36.087 60.787,36.087 62.625,37.925 62.625,49.725 ; 63.163,50.263 62.625,49.725 ; 80.85,57.575 77.325,61.1 74,61.1 62.625,49.725
  Bottom Layer w0.1: v1(58.225,23) R281.2@58.225,22.35 R277.2@59.55,22.35 ; v1(63.3,23.55) R270.2@63.3,22.35 R269.2@64.625,22.35 ; v1(116.925,37.65) R117.1@117.6,37.65 R118.1@118.8,37.65
  Bottom Layer w0.2: R115.1@30.6,30.45 R116.1@31.8,30.45 33.55,30.45 C55.1@33.65,30.55 ; C318.1@83.467,53.948 83.484,53.966 83.52,53.966 83.538,53.948 83.743,53.948 83.788,53.904 v1(83.815,53.904) ; C320.1@96.527,53.406 96.527,53.381 96.552,53.356 96.575,53.356 96.692,53.239 v1(96.692,52.991) ; R114.1@107.575,77.45 R113.1@107.575,76.25 112.05,76.25 113.825,74.475 R181.2@113.825,73.375 R182.2@115.025,73.375 R183.2@116.2,73.375 v2(116.2,74.3)
  Bottom Layer w0.4: C55.1@33.75,30.425 33.75,30.45 C55.1@33.65,30.55 33.65,28.202 v2(33.757,28.095) 33.762,28.1 35.137,28.1 v2(35.407,28.37)